# Altium PCB THE_FIRST.PcbDoc (part 1 of 2) (continued)
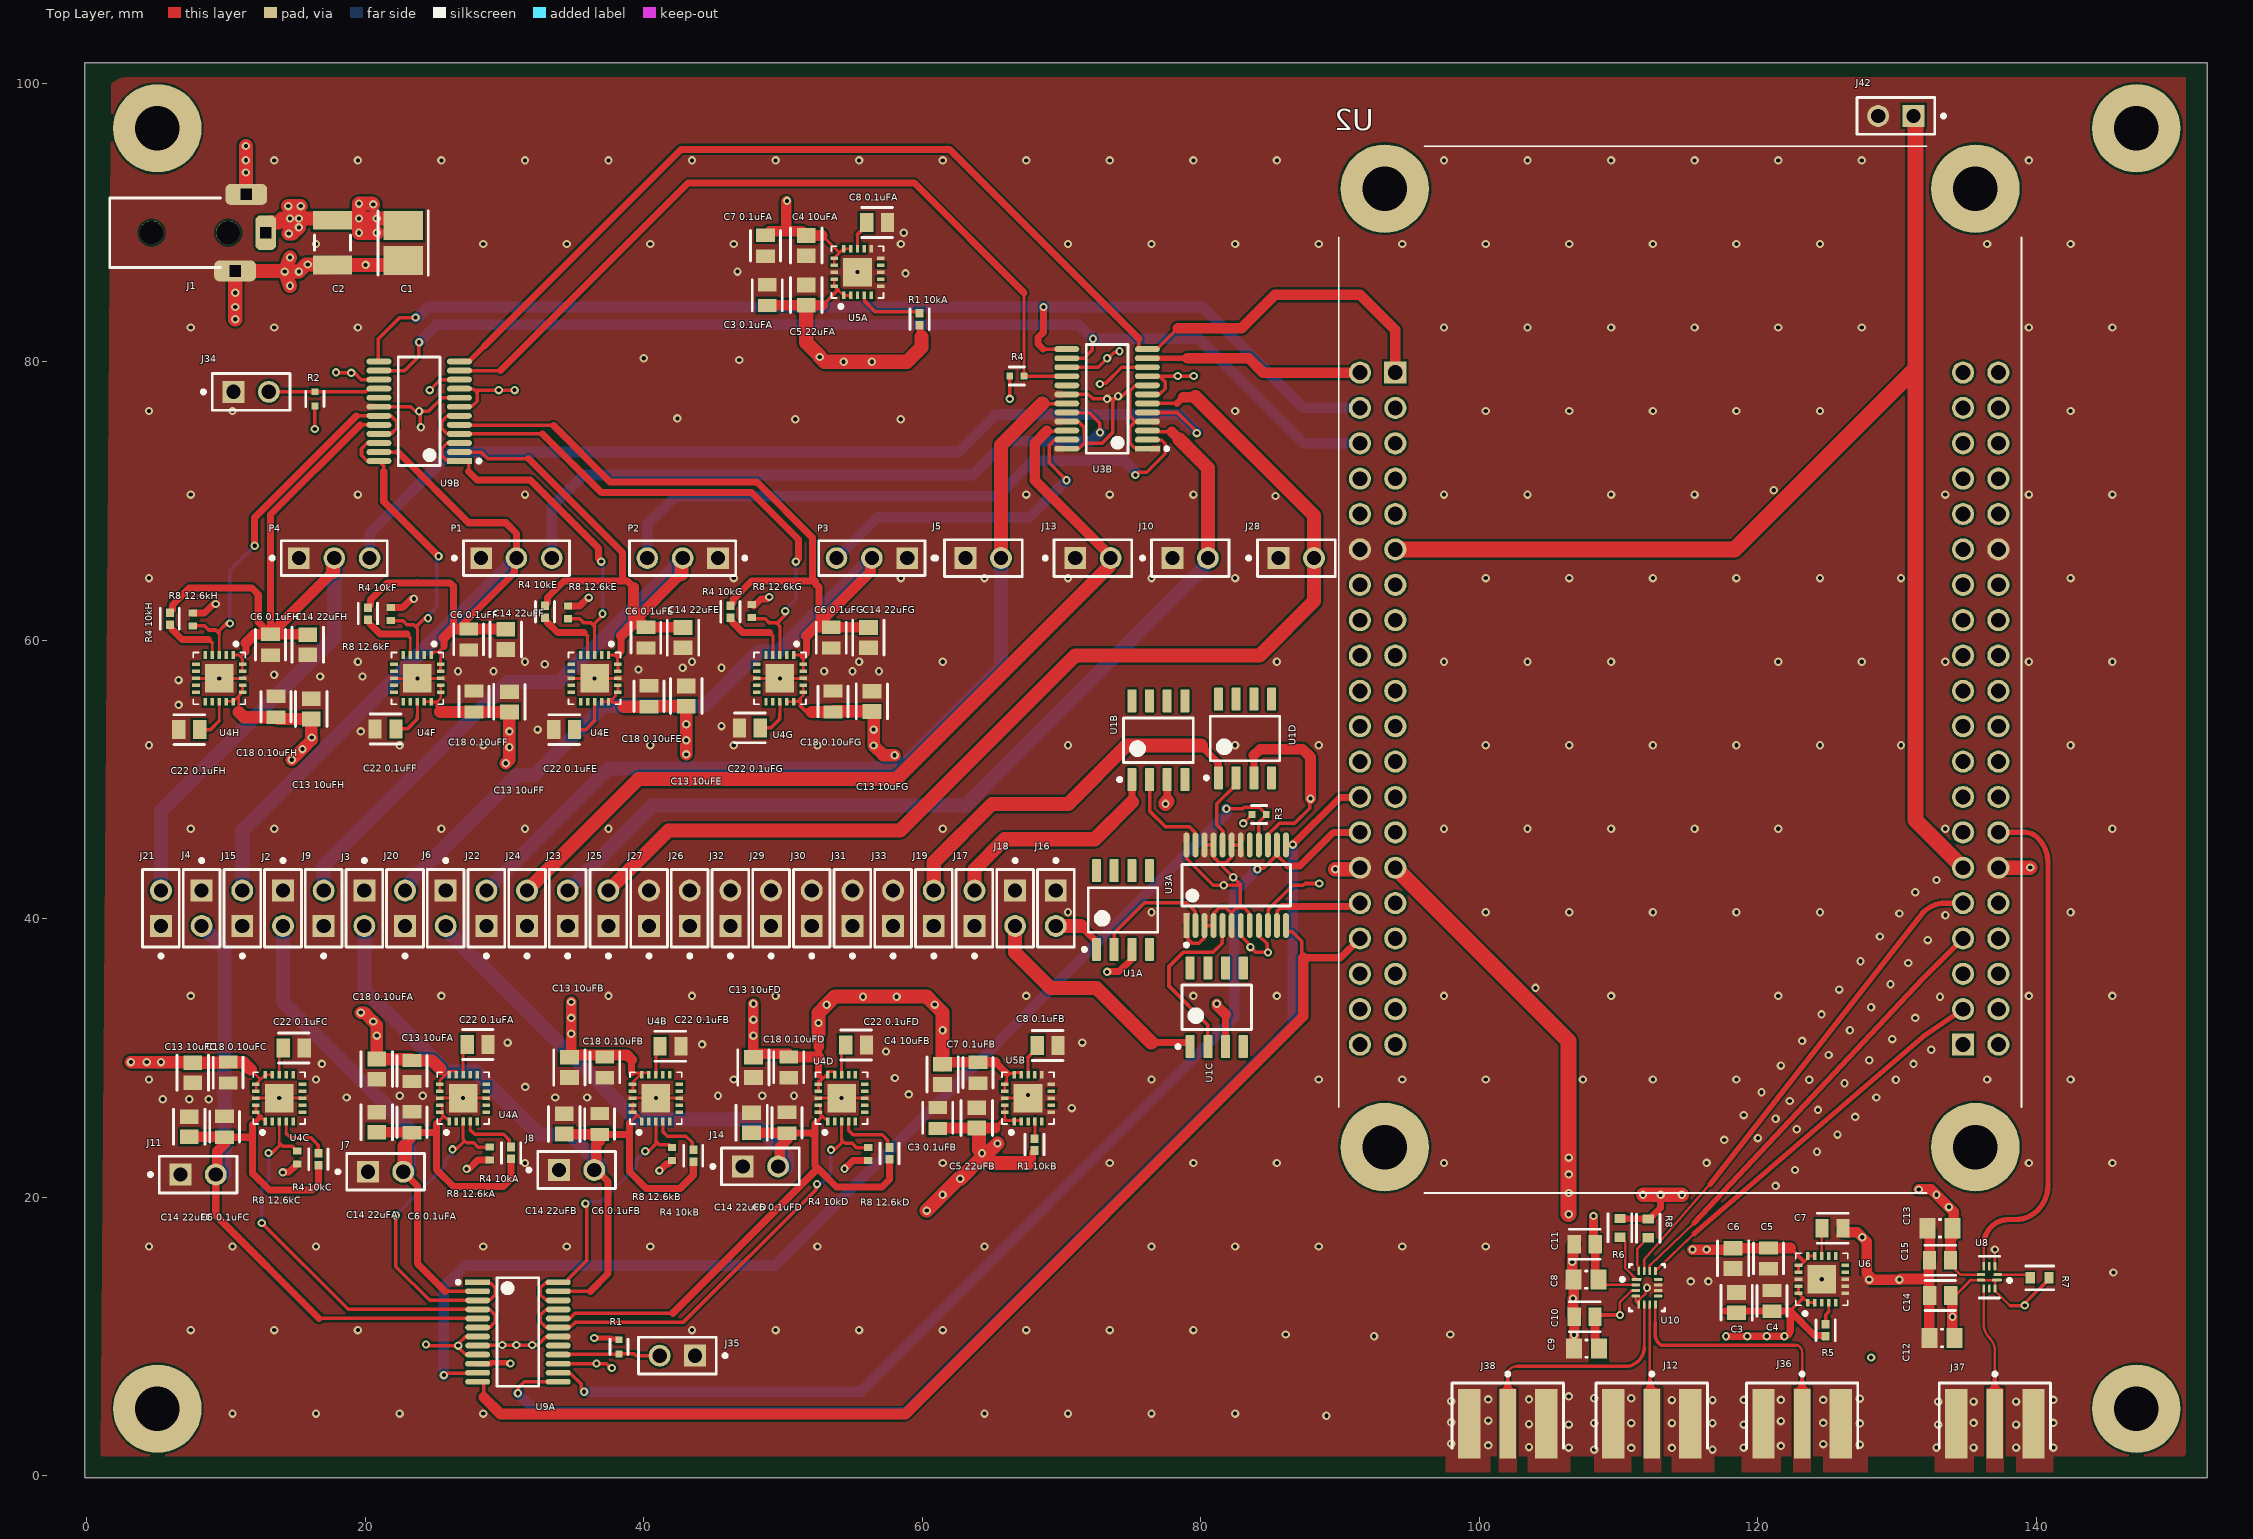
[diagram p0: Top Layer view]
## Components (designator, comment, footprint, x,y, rotation, side; value= is the part's Value field where it differs from the comment) (continued)
U5B "RAA214023GNP#HCA" L20_3_5x3_5_MFG 67.6,27.132 r90 top (schematic designator U5)
U6 "RAA214023GNP#HCA" L20_3_5x3_5_MFG 124.603,14.121 r90 top
U8 "SN74AXC2T245RSWR" FP-RSW0010A-MFG 136.633,14.262 r180 top
U9A "AD5263BRUZ50-REEL7" FP-RU-24-IPC_A 30.968,10.333 r0 top (schematic designator U9)
U9B "AD5263BRUZ50-REEL7" FP-RU-24-IPC_A 23.876,76.454 r180 top (schematic designator U9)
U10 "SN74AXC4T245RSVR" FP-RSV0016A-MFG 112.052,13.516 r0 top

## Footprints (in the part's own frame and the unit in brackets; to place one, negate y for a bottom-side part, rotate by r counter-clockwise, add the part's x,y. Pads: shape width x height; smd on the part's side, far side on the other; paste and mask are expansions set on the pad)
694101308002 [mm] "DC Power Jack THT Right Angled Low Profile(2.8)"
  rrect50% 2.5x1.5 hole 0.8 square: 1(-1270,-1264.3)
  rrect50% 1.5x3 hole 0.8 square: 2(-1267.25,-1266.5) 3(-1272.75,-1265.7)
  round 1.7 hole 1.7 unplated: MH1(-1270,-1272.5) MH2(-1270,-1267)
  silkscreen extent -1272.5,-1275.5 -1267.5,-1267.55, body extent -1272.9,-1275.5 -1267.1,-1263.5, height 5.05
CAPC0805(2012)100_N [mm] "Chip Capacitor, Body 2.0x1.2mm, Height 1.0mm, IPC Medium Density"
  rect 1.15x1.45 smd: 1(-0.9,0) 2(0.9,0)
  silkscreen extent -0.05,-0.62 0.05,0.63, body extent -1.1,-0.72 1.1,0.73, height 1
CAPC1210(3225)115_M [mm] "Chip Capacitor, Body 3.2x2.5mm, Height 1.15mm, IPC Low Density"
  rect 1.35x2.8 smd: 1(-1.6,0) 2(1.6,0)
  silkscreen extent -0.55,-1.3 0.55,1.3, body extent -1.7,-1.35 1.7,1.35, height 1.15
D0008A_M [mm] "SOIC, 8-Leads, Body 5x4mm, Pitch 1.27mm, IPC Low Density"
  rrect15% 1.65x0.65 smd: 1(-2.825,1.905) 2(-2.825,0.635) 3(-2.825,-0.635) 4(-2.825,-1.905) 5(2.825,-1.905) 6(2.825,-0.635) 7(2.825,0.635) 8(2.825,1.905)
  silkscreen extent -2.95,-2.5 1.6,2.9, body extent -3,-2.45 3,2.45, height 1.63
FP-C0805C-DN-MFG [mm]
  rect 0.95x1.35 smd paste+0 mask+0: 1(-0.75,0) 2(0.75,0)
  silkscreen extent -1.1,-1.07 1.1,1.07, body extent -1.4,-0.85 1.4,0.85, height 0.25
FP-CL21-IPC_C [mm]
  rect 1.055x1.356 smd paste+0 mask+0: 1(-0.726,0) 2(0.726,0)
  silkscreen extent -1.25,-1.12 1.25,1.12, body extent -1.35,-0.82 1.35,0.82, height 0.25
FP-CON-SMA-EDGE-S-MFG [mm]
  rect 1.2x5 smd paste+0 mask+0: 1(0,-7.26)
  rect 1.6x5 smd paste+0 mask+0: 2(-2.77,-7.26) 3(2.77,-7.26)
  rect 1.6x5 smd far side paste+0 mask+0: 4(-2.77,-7.26) 5(2.77,-7.26)
  silkscreen extent -4,-10.96 4,-5.5, body extent -3.67,-9.86 3.67,4.86, height 0.25
FP-ERA2A-MFG [mm]
  rect 0.475x0.5 smd paste+0 mask+0: 1(-0.512,0) 2(0.512,0)
  silkscreen extent -0.55,-0.65 0.55,0.65, body extent -0.85,-0.4 0.85,0.4, height 0.25
FP-GRM32E-0_3-0_2-IPC_A [mm]
  rect 2.103x2.806 smd paste+0 mask+0: 1(-1.251,0) 2(1.251,0)
  silkscreen extent -2.3,-1.8 2.3,1.8, body extent -2.8,-1.9 2.8,1.9, height 0.25
FP-M20-9990246-MFG [mm]
  rect 1.57x1.57 hole 1.02 paste-2539.97 mask+0: 1(-1.27,0)
  round 1.57 hole 1.02 paste-2539.97 mask+0: 2(1.27,0)
  silkscreen extent -3.55,-1.32 2.79,1.32, body extent -2.89,-1.42 2.89,1.42, height 0.25
FP-RC0603-0_55-IPC_C [mm]
  rect 0.659x0.812 smd paste+0 mask+0: 1(-0.677,0) 2(0.677,0)
  silkscreen extent -1.01,-0.85 1.01,0.85, body extent -1.11,-0.55 1.11,0.55, height 0.25
FP-RC1005-IPC_B [mm]
  rect 0.615x0.572 smd paste+0 mask+0: 1(-0.429,0) 2(0.429,0)
  silkscreen extent -0.74,-0.69 0.74,0.69, body extent -0.89,-0.44 0.89,0.44, height 0.25
FP-RSV0016A-MFG [mm]
  rrect50% 0.7x0.2 smd paste+0 mask+0: 1(-0.75,0.6)
  rrect50% 0.6x0.2 smd paste+0 mask+0: 2(-0.8,0.2) 3(-0.8,-0.2) 4(-0.8,-0.6) 9(0.8,-0.6) 10(0.8,-0.2) 11(0.8,0.2) 12(0.8,0.6)
  rrect50% 0.2x0.6 smd paste+0 mask+0: 5(-0.6,-1.2) 6(-0.2,-1.2) 7(0.2,-1.2) 8(0.6,-1.2) 13(0.6,1.2) 14(0.2,1.2) 15(-0.2,1.2) 16(-0.6,1.2)
  silkscreen extent -1.9,-1.68 1.28,1.68, body extent -1.2,-1.6 1.2,1.6, height 0.25
FP-RSW0010A-MFG [mm]
  rrect50% 0.7x0.2 smd paste+0 mask+0: 1(-0.55,0.2)
  rrect50% 0.6x0.2 smd paste+0 mask+0: 2(-0.6,-0.2) 6(0.6,-0.2) 7(0.6,0.2)
  rrect50% 0.2x0.6 smd paste+0 mask+0: 3(-0.4,-0.8) 4(0,-0.8) 5(0.4,-0.8) 8(0.4,0.8) 9(0,0.8) 10(-0.4,0.8)
  silkscreen extent -1.58,-1.52 0.72,1.48, body extent -1,-1.2 1,1.2, height 0.25
FP-RU-24-IPC_A [mm]
  rect 1.788x0.421 smd paste+0 mask+0: 1(-2.891,3.575)
  rrect100% 1.788x0.421 smd paste+0 mask+0: 2(-2.891,2.925) 3(-2.891,2.275) 4(-2.891,1.625) 5(-2.891,0.975) 6(-2.891,0.325) 7(-2.891,-0.325) 8(-2.891,-0.975) 9(-2.891,-1.625) 10(-2.891,-2.275) 11(-2.891,-2.925) 12(-2.891,-3.575) 13(2.891,-3.575) 14(2.891,-2.925) 15(2.891,-2.275) 16(2.891,-1.625) 17(2.891,-0.975) 18(2.891,-0.325) 19(2.891,0.325) 20(2.891,0.975) 21(2.891,1.625) 22(2.891,2.275) 23(2.891,2.925) 24(2.891,3.575)
  silkscreen extent -4.41,-3.9 1.5,3.9, body extent -4.29,-4.4 4.29,4.4, height 0.25
L20_3_5x3_5_MFG [mm] "Recommended Land Pattern"
  rect 0.55x0.25 smd: 1(-1.675,1) 2(-1.675,0.5) 3(-1.675,0) 4(-1.675,-0.5) 5(-1.675,-1) 11(1.675,-1) 12(1.675,-0.5) 13(1.675,0) 14(1.675,0.5) 15(1.675,1)
  rect 0.25x0.55 smd: 6(-1,-1.675) 7(-0.5,-1.675) 8(0,-1.675) 9(0.5,-1.675) 10(1,-1.675) 16(1,1.675) 17(0.5,1.675) 18(0,1.675) 19(-0.5,1.675) 20(-1,1.675)
  rect 2.05x2.05 smd: 21(0,0)
  silkscreen extent -2.59,-1.86 1.86,1.86, body extent -2.05,-2.05 2.05,2.05, height 0.25
MODULE_P0082_BOTTOMMOUNT [mm]
  rect 1.59x1.59 / inner round 1.59 / far side rect 1.59x1.59 hole 1.06: JP1_1(20.45,-21.33) JP2_1(-20.32,26.93)
  round 1.59 hole 1.06: JP1_2(22.99,-21.33) JP1_3(20.45,-18.79) JP1_4(22.99,-18.79) JP1_5(20.45,-16.25) JP1_6(22.99,-16.25) JP1_7(20.45,-13.71) JP1_8(22.99,-13.71) JP1_9(20.45,-11.17) JP1_10(22.99,-11.17) JP1_11(20.45,-8.63) JP1_12(22.99,-8.63) JP1_13(20.45,-6.09) JP1_14(22.99,-6.09) JP1_15(20.45,-3.55) JP1_16(22.99,-3.55) JP1_17(20.45,-1.01) JP1_18(22.99,-1.01) JP1_19(20.45,1.53) JP1_20(22.99,1.53) JP1_21(20.45,4.07) JP1_22(22.99,4.07) JP1_23(20.45,6.61) JP1_24(22.99,6.61) JP1_25(20.45,9.15) JP1_26(22.99,9.15) JP1_27(20.45,11.69) JP1_28(22.99,11.69) JP1_29(20.45,14.23) JP1_30(22.99,14.23) JP1_31(20.45,16.77) JP1_32(22.99,16.77) JP1_33(20.45,19.31) JP1_34(22.99,19.31) JP1_35(20.45,21.85) JP1_36(22.99,21.85) JP1_37(20.45,24.39) JP1_38(22.99,24.39) JP1_39(20.45,26.93) JP1_40(22.99,26.93) JP2_2(-22.86,26.93) JP2_3(-20.32,24.39) JP2_4(-22.86,24.39) JP2_5(-20.32,21.85) JP2_6(-22.86,21.85) JP2_7(-20.32,19.31) JP2_8(-22.86,19.31) JP2_9(-20.32,16.77) JP2_10(-22.86,16.77) JP2_11(-20.32,14.23) JP2_12(-22.86,14.23) JP2_13(-20.32,11.69) JP2_14(-22.86,11.69) JP2_15(-20.32,9.15) JP2_16(-22.86,9.15) JP2_17(-20.32,6.61) JP2_18(-22.86,6.61) JP2_19(-20.32,4.07) JP2_20(-22.86,4.07) JP2_21(-20.32,1.53) JP2_22(-22.86,1.53) JP2_23(-20.32,-1.01) JP2_24(-22.86,-1.01) JP2_25(-20.32,-3.55) JP2_26(-22.86,-3.55) JP2_27(-20.32,-6.09) JP2_28(-22.86,-6.09) JP2_29(-20.32,-8.63) JP2_30(-22.86,-8.63) JP2_31(-20.32,-11.17) JP2_32(-22.86,-11.17) JP2_33(-20.32,-13.71) JP2_34(-22.86,-13.71) JP2_35(-20.32,-16.25) JP2_36(-22.86,-16.25) JP2_37(-20.32,-18.79) JP2_38(-22.86,-18.79) JP2_39(-20.32,-21.33) JP2_40(-22.86,-21.33)
  round 6.35 hole 3.2: S1(-21.21,-34.54) S2(21.21,-34.54) S3(-21.21,34.29) S4(21.21,34.29)
  silkscreen extent -24.51,-37.59 24.51,37.59, body extent -24.51,-37.59 24.51,37.59, height 0
MOLX-22-28-4033_V [mm] "THD, 3-Leads, Body 7.62x2.49mm, Pitch 2.54mm"
  rect 1.55x1.55 hole 1.02: 1(-2.54,0)
  round 1.55 hole 1.02: 2(0,0) 3(2.54,0)
  silkscreen extent -4.58,-1.24 3.81,1.24, body extent -3.81,-1.24 3.81,1.24, height 8.38
RESC1005X40N [mm]
  rect 0.51x0.6 smd: 1(-0.465,0) 2(0.465,0)

## Part data
C1: library part CMP-2000-06363-3, "Chip Multilayer Ceramic Capacitors for General Purpose, 1210, 47uF, X7R, 15%, 20%, 10V", Capacitance=47uF, Case Code (Imperial)=1210, Case Code (Metric)=3225, Dielectric=X7R, Max Operating Temperature=125°C, Min Operating Temperature=-55°C, Package Quantity=1, Tolerance=20%, Voltage=10V, Case/Package=1210, Depth=2.5mm, Height=2.5mm, Lead Free="Lead Free", Length=3.2mm, Mount="Surface Mount", Packaging="Tape and Reel", Radiation Hardening=No, REACH SVHC="No SVHC", Termination=SMD/SMT, Thickness=0.106inch, Voltage Rating=10V, Voltage Rating (DC)=10V, Width=0.098inch
C2: library part CMP-1038-01632-1, "CAP 100nF 16V ±1% 1210 (3225 Metric) Thickness 1.1mm SMD", Capacitor Type=FILM, Case-EIA=1210, Case-Metric=3225, Dielectric Material=Polyphenylene, Manufacturer=Panasonic, Manufacturer Part Number=ECH-U1C104GX5, Max Operating Temperature=125°C, Min Operating Temperature=-55°C, Package Shape=Rectangular, Package Style=SMTMeter, Rated DC Voltage (URdc)=16V, Rated Voltage="16 V", Supplier Part Number=PCF1189CT-ND, Tolerance=Â±1%, Tolerance  (fill in as +-)=2%, Case/Package=1210, Category="Film Capacitors", ComponentLink1Description=https://datasheet.ciiva.com:443/pdfs/VipMasterIC/IC/PANA/PANA-S-A0009590914/PANA-S-A0009590914-1.pdf?src-supplier=IHS+Markit, ComponentLink1URL=https://datasheet.ciiva.com:443/pdfs/VipMasterIC/IC/PANA/PANA-S-A0009590914/PANA-S-A0009590914-1.pdf?src-supplier=IHS+Markit, ComponentLink2Description=https://datasheet.ciiva.com/11792/0900766b8016ecc7-11792269.pdf?src-supplier=Rs, ComponentLink2URL=https://datasheet.ciiva.com/11792/0900766b8016ecc7-11792269.pdf?src-supplier=Rs, ComponentLink3Description=https://datasheet.ciiva.com/11416/abd0000ce13-11416261.pdf?src-supplier=Avnet, ComponentLink3URL=https://datasheet.ciiva.com/11416/abd0000ce13-11416261.pdf?src-supplier=Avnet, ComponentLink4Description=https://datasheet.ciiva.com/30113/21abd0000ce13-30113725.pdf?src-supplier=Onlinecomponents.com, ComponentLink4URL=https://datasheet.ciiva.com/30113/21abd0000ce13-30113725.pdf?src-supplier=Onlinecomponents.com, ComponentLink5Description=https://datasheet.ciiva.com/14606/70067901-14606805.pdf?src-supplier=Allied+Electronics, ComponentLink5URL=https://datasheet.ciiva.com/14606/70067901-14606805.pdf?src-supplier=Allied+Electronics, ComponentLink6Description=https://datasheet.ciiva.com/27055/1981672-27055573.pdf?src-supplier=Jameco, ComponentLink6URL=https://datasheet.ciiva.com/27055/1981672-27055573.pdf?src-supplier=Jameco, Height=2.1mm, JESD-609 Code=e1, Length=3.2mm, Max Thickness="1.1 mm", Mounting Technology="Surface Mount", Packaging="Tape and Reel", Pins=2, Pricing="1=1, 10=0.637, 50=0.4958, 100=0.4521, 500=0.37836, 1000=0.35557 (USD)", Reach SVHC Compliant=Yes, RoHS=Yes, RoHS Compliant=Yes, Stock=18597, Supplier=Digikey, Technology=SMT, Terminal Finish=Copper, Termination=Wraparound, Tolerance (fill in as +-)=2%, Width=2.5mm
C3 "C5 22uFA" "C5 22uFB" "C14 22uFA" "C14 22uFB" "C14 22uFC" "C14 22uFD" "C14 22uFE" "C14 22uFF" "C14 22uFG" "C14 22uFH": library part CMP-13271-002990-1, "CL21 Series 0805 22uF 16V ±20% Tolerance X5R Multilayer Ceramic Chip Capacitor", Capacitance=22uF, Case Code (Imperial)=0805, Case Code (Metric)=2012, Max Operating Temperature=85°C, Min Operating Temperature=-55°C, Tolerance=20%, Voltage Rating=16V, Case/Package=0805, Length=0.079inch, Mount="Surface Mount", Packaging="Tape and Reel", Thickness=0.037inch, Width=0.049inch
"C3 0.1uFA" "C3 0.1uFB" C4 "C6 0.1uFA" "C6 0.1uFB" "C6 0.1uFC" "C6 0.1uFD" "C6 0.1uFE" "C6 0.1uFF" "C6 0.1uFG" "C6 0.1uFH" C7 "C8 0.1uFA" "C8 0.1uFB" C10 C11 C14 C15 "C18 0.10uFA" "C18 0.10uFB" "C18 0.10uFC" "C18 0.10uFD" "C18 0.10uFE" "C18 0.10uFF" "C18 0.10uFG" "C18 0.10uFH" "C22 0.1uFA" "C22 0.1uFB" "C22 0.1uFC" "C22 0.1uFD" "C22 0.1uFE" "C22 0.1uFF" "C22 0.1uFG" "C22 0.1uFH": library part CMP-03020-009592-2, "C0805 0.10 μF X7R 30ppm/°C 10.00% 16 V", Capacitance="0.10 μF", Manufacturer=KEMET, Package=C0805C-DN, Temperature="-55°C to +125°C", Temperature Characteristic=X7R, Temperature Coefficient=30ppm/°C, Temperature Range High=+125°C, Temperature Range Low=-55°C, Tolerance=0.1, Voltage Rating="16 V", Automotive=No, Category=Cap, ComponentLink2Description=Datasheet, ComponentLink2URL=https://content.kemet.com/datasheets/KEM_C1003_C0G_SMD.pdf, Device Class L1="Passive Components", Device Class L2=Capacitors, Device Class L3="Ceramic Capacitors", Height=0.88mm, Ipc Land Pattern Name=CAPC200125X78, Lead Free=Yes, Manufacturer Part Number=C0805C104K4RAC, Material=Ceramic, Mouser Description="Cap Ceramic 0.1uF 16V X7R 10% Pad SMD 0805 125C Bulk", Octopart=https://octopart.com/c0805c104k4rac-kemet-1343167, RoHS=TRUE
"C4 10uFA" "C4 10uFB" C6 "C13 10uFA" "C13 10uFB" "C13 10uFC" "C13 10uFD" "C13 10uFE" "C13 10uFF" "C13 10uFG" "C13 10uFH": library part CMP-13271-002240-1, "CL21 Series 0805 10uF 16V ±10% Tolerance X5R Multilayer Ceramic Chip Capacitor", Capacitance=10uF, Case Code (Imperial)=0805, Case Code (Metric)=2012, Dielectric=X5R, Max Operating Temperature=85°C, Min Operating Temperature=-55°C, Package Quantity=3000, Tolerance=10%, Voltage=16V, Case/Package=0805, Depth=1.25mm, Height=1.25mm, Length=2mm, Material=Ceramic, Mount="Surface Mount", Packaging="Tape and Reel", Thickness=0.053inch, Voltage Rating=16V, Width=0.049inch
C5 "C7 0.1uFA" "C7 0.1uFB": library part CMP-03020-009592-2, "C0805 0.10 μF X7R 30ppm/°C 10.00% 16 V / C0805C104K4RAC", Capacitance="0.10 μF", Manufacturer=KEMET, Manufacturer Part Number=C0805C104K4RAC, Package=C0805C-DN, Temperature="-55°C to +125°C", Temperature Characteristic=X7R, Temperature Coefficient=30ppm/°C, Temperature Range High=+125°C, Temperature Range Low=-55°C, Tolerance=0.1, Voltage Rating="16 V", Automotive=No, Category=Cap, ComponentLink2Description=Datasheet, ComponentLink2URL=https://content.kemet.com/datasheets/KEM_C1003_C0G_SMD.pdf, Device Class L1="Passive Components", Device Class L2=Capacitors, Device Class L3="Ceramic Capacitors", Height=0.88mm, Ipc Land Pattern Name=CAPC200125X78, Lead Free=Yes, Material=Ceramic, Mouser Description="Cap Ceramic 0.1uF 16V X7R 10% Pad SMD 0805 125C Bulk", Octopart=https://octopart.com/c0805c104k4rac-kemet-1343167, RoHS=TRUE
C8 C9 C12 C13: library part CMP-1036-04747-1, "CAP 1uF 16V ±10% 0805 (2012 Metric) Thickness 1mm SMD", Capacitor Type=Ceramic, Case-EIA=0805, Case-Metric=2012, Manufacturer=KEMET, Manufacturer Part Number=C0805C105K4RACTU, Max Operating Temperature=125°C, Min Operating Temperature=-55°C, Package Shape=Rectangular, Package Style=SMTMeter, Rated DC Voltage (URdc)=16V, Rated Voltage="16 V", Supplier Part Number=399-C0805C105K4RACTUCT-ND, Temperature Characteristics Code=X7R, Tolerance=Â±10%, Tolerance  (fill in as +-)=10%, Case/Package=0805, Category="Ceramic Capacitors", ComponentLink1Description=https://datasheet.ciiva.com:443/pdfs/VipMasterIC/IC/KEME/KEME-S-A0008991654/KEME-S-A0008991654-1.pdf?src-supplier=IHS+Markit, ComponentLink1URL=https://datasheet.ciiva.com:443/pdfs/VipMasterIC/IC/KEME/KEME-S-A0008991654/KEME-S-A0008991654-1.pdf?src-supplier=IHS+Markit, Dielectric Material=Ceramic, Height=0.9mm, JESD-609 Code=e3, Length=2mm, Max Thickness="1 mm", Mounting Technology="Surface Mount", Multilayer=Yes, Packaging="Tape and Reel", Pins=2, Pricing="1=0.12, 10=0.068, 100=0.041, 1000=0.03184 (USD)", Reach SVHC Compliant=Yes, RoHS=Yes, RoHS Compliant=Yes, Stock=418697, Supplier=Digikey, Technology=SMT, Terminal Finish=Nickel, Termination=Wraparound, Tolerance (fill in as +-)=10%, Width=1.25mm
J1: library part CMP-1502-00182-2, Color=Black, Current Rating=2A, Flammability Rating="UL94 V-0", Insulation Resistance=100MΩ, Max Operating Temperature=85°C, Min Operating Temperature=-20°C, Operating Supply Voltage=12V, Connector Type=Power, Contact Gender=Male, Contact Plating=Tin, Gender=Male, Housing Material=Polyamide, Mount="Through Hole", NexarPartId=52676095, Packaging=Bulk, REACH SVHC=Unknown, RoHS=Compliant, Shielding=Unshielded, Termination="Through Hole", Voltage Rating=12V, Voltage Rating (DC)=12V
J2 J3 J4 J5 J6 J7 J8 J9 J10 J11 J13 J14 J15 J16 J17 J18 J19 J20 J21 J22 J23 J24 J25 J26 J27 J28 J29 J30 J31 J32 J33 J34 J35 J42: library part CMP-15831-000009-1, "CONN HEADER VERT 2POS 2.54MM", Current Rating=3A, Manufacturer=Harwin, Temperature="-40°C to +105°C", Temperature Range High=+105°C, Temperature Range Low=-40°C, Automotive=No, Category=Conn, ComponentLink2Description=Datasheet, ComponentLink2URL=https://cdn.harwin.com/pdfs/M20-999.pdf, Conn Gender=Male, Conn Orientation=Vertical, Contact Material=Tin,Nickel, Device Class L1=Connectors, Device Class L2="Headers and Wire Housings", Device Class L3=unset, Digikey Description="CONN HEADER VERT 2POS 2.54MM", Height=8.99mm, Lead Free=Yes, Manufacturer Part Number=M20-9990246, Mouser Description="2.54mm (0.1\") Pitch SIL Vertical PC Tail Pin Header, 6.1mm mating pin height, tin, 2 contacts", Number Of Contacts=2, Number Of Rows=1, Octopart=https://octopart.com/m20-9990246-harwin-2590635, Package=M20-9990246, Pitch=2.54mm, RoHS=TRUE
J12 J36 J37 J38: library part CMP-204357-000001-1, "CONN SMA JACK STR EDGE MNT", Frequency=18GHz, Manufacturer="RF Solutions Ltd.", Package=CONN_JACK, Supplier Part Number=223-CON-SMA-EDGE-S, Automotive=No, Category=Conn, ComponentLink1Description=https://media.digikey.com/pdf/Data%20Sheets/RF%20Solutions%20PDFs/CON-SMA-EDGE.pdf?src-supplier=Digikey, ComponentLink1URL=https://media.digikey.com/pdf/Data%20Sheets/RF%20Solutions%20PDFs/CON-SMA-EDGE.pdf?src-supplier=Digikey, ComponentLink2Description=Datasheet, ComponentLink2URL=https://www.rfsolutions.co.uk/downloads/1498648656DS-CON-EDGE-SMA-4.pdf, ComponentLink3Description=https://datasheet.octopart.com/CON-SMA-EDGE-S-RF-Solutions-datasheet-153593425.pdf?src-supplier=Element14, ComponentLink3URL=https://datasheet.octopart.com/CON-SMA-EDGE-S-RF-Solutions-datasheet-153593425.pdf?src-supplier=Element14, Conn Orientation="Right Angle", Contact Material=Gold, Device Class L1=Connectors, Device Class L2="RF / Coaxial Connectors", Device Class L3=unset, Digikey Description="CONN SMA JACK STR EDGE MNT", Footprint Url=https://forum.upverter.com/uploads/default/original/3X/b/e/be75b907af57498775929d6d9099689c472e0307.pdf, Height=6.35mm, Impedance=50Ω, Is Female=yes, Lead Free=Yes, Manufacturer Part Number=CON-SMA-EDGE-S, Number Of Contacts=1, Octopart=https://octopart.com/con-sma-edge-s-rf+solutions-70967450, Pricing="1=2.52, 10=2.14, 50=1.91, 100=1.82, 1000=1.54, 10000=1.45 (USD)", RoHS=TRUE, Shielding=true, Stock=609, Supplier=Mouser
P1 P2 P3 P4: library part CMP-1676-00001-5, "Male Header, Pitch 2.54 mm, 1 x 3 Position, Height 8.38 mm, Tail Length 3.18 mm, RoHS, Bulk", Colour=Black, Current Rating="4 A", Manufacturer=Molex, Max Operating Temperature="75 degC", Min Operating Temperature="0 degC", Package Quantity=1, Voltage Rating="250 V", ComponentLink1Description="Manufacturer URL", ComponentLink1URL=http://www.molex.com/, ComponentLink2Description=Datasheet, ComponentLink2URL=http://www.molex.com/pdm_docs/sd/022284033_sd.pdf, Contact Finish=Gold, Contact Material=Brass, Contact Plating=Gold, DatasheetVersion="Rev. G, 01/2012", Height="8.38 mm", Lead Pitch="0.1 inch", Length="7.62 mm", Mount="Through Hole", Mounting Technology="Through Hole", PackageDescription="Male Header, Pitch 2.54 mm, 1 x 3 Position, Height 8.38 mm, Tail Length 3.18 mm", PackageReference=22-28-4033, Packaging=Bulk, Pins=3, REACH SVHC=Unknown, RoHSCompliant=true, Rows=1
R1 R2 R3 R4: library part CMP-2002-05881-2, "RES SMD 2.2K OHM 0.1% 1/16W 0402", Manufacturer=Panasonic, Package=ERA2A, Power Rating=0.063W, Resistance=2.2kΩ, Temperature="-55°C to +155°C", Temperature Coefficient=25ppm/°C, Temperature Range High=+155°C, Temperature Range Low=-55°C, Tolerance=0.1%, Voltage Rating=50V, Automotive=Yes, Automotive Grade="Grade 0", Category=Res, ComponentLink2Description=Datasheet, ComponentLink2URL=https://industrial.panasonic.com/cdbs/www-data/pdf/RDM0000/AOA0000C307.pdf, Composition="Metal Film", Device Class L1="Passive Components", Device Class L2=Resistors, Device Class L3="Chip SMD Resistors", Digikey Description="RES SMD 2.2K OHM 0.1% 1/16W 0402", Footprint Url=https://b2b-api.panasonic.eu/file_stream/pids/fileversion/1079, Height=0.4mm, Ipc Land Pattern Name=RESC10050X35, Lead Free=Yes, Manufacturer Part Number=ERA-2AEB222X, Mouser Description="Thin Film Resistors - SMD 0402 1/16W 2.2Kohms", Octopart=https://octopart.com/era-2aeb222x-panasonic-9251391, RoHS=TRUE, Series=E24
"R1 10kA" "R1 10kB" "R4 10kA" "R4 10kB" "R4 10kC" "R4 10kD" "R4 10kE" "R4 10kF" "R4 10kG" "R4 10kH" R5: library part CMP-13261-004522-1, "Res Thick Film 0402 10kΩ 1% 0.063W ±100ppm/°C Molded SMD T/R", Case Code (Imperial)=0402, Case Code (Metric)=1005, Max Operating Temperature=155°C, Max Power Dissipation=63mW, Min Operating Temperature=-55°C, Package Quantity=1, Power Rating=62.5mW, Resistance=10kR, Temperature Coefficient=100ppm/°C, Tolerance=1%, Case/Package=0402, Composition="Thick Film", Contact Plating=Tin, Depth=0.5mm, Features="Moisture Resistant", Height=0.016inch, Length=1mm, Military Standard=Not, Mount="Surface Mount", Number of Terminations=2, Packaging="Tape and Reel", Radiation Hardening=No, Width=0.02inch
R6 R7 R8: library part CMP-2100-03664-2, "RES 10K OHM 1% 1/10W 0603", Case Code (Imperial)=0603, Case Code (Metric)=1608, Manufacturer=Yageo, Max Operating Temperature=155°C, Max Power Dissipation=100mW, Min Operating Temperature=-55°C, Package Height=0.45mm, Package Length=1.6mm, Package Shape=Rectangular, Package Width=0.8mm, Rated Temperature=70°C, Resistance=10kR, Resistance Tolerance=1%, Resistor Type="Thick Film", Supplier Part Number=311-10.0KHRDKR-ND, Temperature Coefficient=100ppm/°C, Temperature Coefficient (ppm/Cel)=100, Voltage Rating=75V, Voltage Rating (DC)=50V, Additional Feature="LASER TRIMMABLE", Case/Package=0603, Category="Chip SMD Resistors", ComponentLink1Description=https://datasheet.ciiva.com:443/pdfs/VipMasterIC/IC/YAGO/YAGO-S-A0008145938/YAGO-S-A0008145938-1.pdf?src-supplier=IHS+Markit, ComponentLink1URL=https://datasheet.ciiva.com:443/pdfs/VipMasterIC/IC/YAGO/YAGO-S-A0008145938/YAGO-S-A0008145938-1.pdf?src-supplier=IHS+Markit, Construction=Rectangular, Depth=0.8mm, Features="Moisture Resistant", Height=0.45mm, JESD-609 Code=e3, Lead Free="Lead Free", Lead Pitch=0.3mm, Length=1.6mm, Manufacturer Part Number=RC0603FR-0710KL, Military Standard=Not, Mounting Technology="Surface Mount", Number of Pins=2, Number of Terminations=2, Packaging="Tape and Reel", Pins=2, Power=100mW, Power Rating=100mW, Pricing="1=0.1, 10=0.009, 100=0.0071, 1000=0.0051 (USD)", Reach SVHC Compliant=Yes, RoHS=Yes, RoHS Compliant=Yes, Series=RC, Size Code=0603, Stock=3719141, Supplier=Digikey, Technology="METAL GLAZE/THICK FILM", Terminal Finish=Nickel, Termination=SMD/SMT, Tolerance=1%, Weight=7.1E-05oz, Width=0.8mm, Working Voltage=75V
"R8 12.6kA" "R8 12.6kB" "R8 12.6kC" "R8 12.6kD" "R8 12.6kE" "R8 12.6kF" "R8 12.6kG" "R8 12.6kH": "Fixed Resistor, Thin Film, 0.063W, 12600ohm, 50V, 0.1% +/-Tol, 25ppm/Cel, Surface Mount, 0402", Manufacturer="KOA Speer", Package=None, Supplier Part Number=2019-RN73R1ETTP1262B25CT-ND, Availability=Unavailable, Category="Chip SMD Resistors", Manufacturer Part Number=RN73R1ETTP1262B25, MP=RN73R1ETTP1262B25, Price=None, Pricing="1=0.1, 10=0.066, 50=0.0576, 100=0.0544, 500=0.04774, 1000=0.04524, 5000=0.04032 (USD)", RoHS=Yes, Stock=8327, Supplier=Digikey
U1A U1B U1C U1D: library part CMP-0063-00597-4, "3-Terminal Adjustable Current Source, 8-pin Narrow SOIC, Pb-Free", Manufacturer="Texas Instruments", PackageTopMarking=NSZXTT*LM334*SM, PowerWise=N, Code_IPC=SOIC127P600-8, Code_JEDEC=MS-012-AA, ComponentLink1Description="Datasheet URL", ComponentLink1URL=http://www.ti.com/general/docs/lit/getliterature.tsp?genericPartNumber=LM334&fileType=pdf, CompType=MiscPower, High-Reliability=Y, PackageDescription="SOIC Narrow, 4.9 x 3.9 x 1.45mm, 8 Lead, 1.27mm Pitch", PackageReference=D0008A, PartNumber=LM334SM/NOPB, PinCount=8, RoHS=Y
U2: "Cyclone IV E FPGA DE0-Nano EP4CE22 CycloneÂ® IV E FPGA Evaluation Board", Package=None, Check_prices=https://www.snapeda.com/parts/P0082/Terasic+Inc./view-part/?ref=eda, MF="Terasic Inc.", MP=P0082, SnapEDA_Link=https://www.snapeda.com/parts/P0082/Terasic+Inc./view-part/?ref=snap
U3A U3B U9A U9B: library part CMP-09083-000144-1, "IC DGT POT 50KOHM 256TAP 24TSSOP", Case/Package=TSSOP, Dual Supply Voltage=5V, Frequency=25MHz, Max Dual Supply Voltage=7.5V, Max Operating Temperature=125°C, Max Supply Current=1uA, Max Supply Voltage=16.5V, Min Dual Supply Voltage=4.5V, Min Operating Temperature=-40°C, Min Supply Voltage=2.7V, Package Quantity=1000, Resistance=50kR, Temperature Coefficient=650ppm/°C, Tolerance=30%, -3db Bandwidth=300kHz, Contact Plating=Tin, Interface=I2C, Lead Free="Contains Lead", Memory Type=Volatile, Mount="Surface Mount", Nominal Supply Current=1uA, Number of Circuits=4, Number of Elements=4, Number of Pins=24, Number of Positions=256, Number of Taps=256, Operating Supply Current=1uA, Operating Supply Voltage=5V, Packaging="Tape and Reel", RoHS Compliant=Yes, Series=-, Supply Current=1uA, Taper=Linear
U4A U4B U4C U4D U4E U4F U4G U4H: library part CMP-00572-126438255-2, "LDO Voltage Regulators 2A Low Noise LDO, 20 Lead 3.5x3.5 QFN (NiPdAu-Ag lead finish", Case/Package=QFN, Dropout Voltage=420mV, Dropout Voltage1-Max=570mV, Manufacturer=Renesas, Manufacturer Lifecycle Status=ACTIVE, Max Input Voltage=5.5V, Max Junction Temperature (Tj)=150°C, Max Operating Temperature=85°C, Max Output Current=2A, Max Output Voltage=800mV, Min Input Voltage=2.7V, Min Operating Temperature=-40°C, Min Output Voltage=5V, Output Voltage1-Max=4.93V, Package Body Material=Plastic, Package Shape=Square, Quiescent Current=195µA, Supplier Part Number=968-RAA214023GNP#HCA, Adjustability=ADJUSTABLE, Channels=1, ComponentLink1Description="Manufacturer's Website", ComponentLink1URL=http://www.renesas.com, ComponentLink2Description="Datasheet URL", ComponentLink2URL=https://octopart.com/cad-content/api/get-model-datasheet/15189/126438255, ComponentLink3Description="Manufacturer's Package Drawing", ComponentLink3URL=https://www.renesas.com/en/document/psc/l2035x35-20-lead-quad-flat-no-lead-package-qfn, ComponentLink4Description=https://datasheet.ciiva.com:443/pdfs/VipMasterIC/IC/RNCC/RNCC-S-A0011343211/RNCC-S-A0014920273-1.pdf?src-supplier=IHS+Markit, ComponentLink4URL=https://datasheet.ciiva.com:443/pdfs/VipMasterIC/IC/RNCC/RNCC-S-A0011343211/RNCC-S-A0014920273-1.pdf?src-supplier=IHS+Markit, Dropout Voltage1-Nom=420mV, Height=900µm, Height - Seated (Max)=0.9mm, HelpURL=https://octopart.com/cad-content/api/get-model-datasheet/15189/126438255, Length=3.5mm, Lifecycle Status=Production, Manufacturer Part Number=RAA214023GNP#HCA, Max Supply Voltage=5.5V, Min Supply Voltage=2.7V, Moisture Sensitivity Level=1, Mount="Surface Mount", Mounting Technology="Surface Mount", Number of Outputs=1, Number of Pins=20, Output Current1-Max=2A, Output Voltage=800mV, Output Voltage1-Min=800mV, Packaging="Tape and Reel", Pins=20, Pitch=500µm, Pricing="1=4.26, 10=2.76, 50=2.36, 100=1.92, 1000=1.45, 10000=1.43 (USD)", RAM Size=1.5kB, Reach SVHC Compliant=Yes, Regulator Type="ADJUSTABLE POSITIVE SINGLE OUTPUT LDO REGULATOR", RoHS=Compliant, RoHS Compliant=Yes, Stock=3715, Supplier=Mouser, Surface Mount=Yes, Terminal Finish=Gold, Terminal Form="No Lead", Terminal Pitch=0.5mm, Terminal Position=QUAD, Width=3.5mm
U5A U5B U6: library part CMP-00572-126438255-2, "LDO Voltage Regulators 2A Low Noise LDO, 20 Lead 3.5x3.5 QFN (NiPdAu-Ag lead finish", Case/Package=QFN, Dropout Voltage=420mV, Manufacturer Lifecycle Status=ACTIVE, Max Input Voltage=5.5V, Max Junction Temperature (Tj)=150°C, Max Operating Temperature=85°C, Max Output Current=2A, Max Output Voltage=800mV, Min Input Voltage=2.7V, Min Operating Temperature=-40°C, Min Output Voltage=5V, Quiescent Current=195µA, ComponentLink1Description="Manufacturer's Website", ComponentLink1URL=http://www.renesas.com, ComponentLink2Description="Datasheet URL", ComponentLink2URL=https://octopart.com/cad-content/api/get-model-datasheet/15189/126438255, ComponentLink3Description="Manufacturer's Package Drawing", ComponentLink3URL=https://www.renesas.com/en/document/psc/l2035x35-20-lead-quad-flat-no-lead-package-qfn, Height=900µm, HelpURL=https://octopart.com/cad-content/api/get-model-datasheet/15189/126438255, Length=3.5mm, Lifecycle Status=Production, Max Supply Voltage=5.5V, Min Supply Voltage=2.7V, Mount="Surface Mount", Number of Pins=20, Output Voltage=800mV, Pitch=500µm, RAM Size=1.5kB, RoHS=Compliant, Width=3.5mm
U8: library part CMP-04899-000104-1, "DUAL-BIT, 2-DIR PIN DUAL-SUPPLY", Manufacturer="Texas Instruments", Supplier Part Number=296-SN74AXC2T245RSWRCT-ND, Category="Voltage Level Shifters", ComponentLink1Description=http://www.ti.com/general/docs/suppproductinfo.tsp?distId=10&amp;gotoUrl=http%3A%2F%2Fwww.ti.com%2Flit%2Fgpn%2FSN74AXC2T245&src-supplier=Digikey, ComponentLink1URL=http://www.ti.com/general/docs/suppproductinfo.tsp?distId=10&amp;gotoUrl=http%3A%2F%2Fwww.ti.com%2Flit%2Fgpn%2FSN74AXC2T245&src-supplier=Digikey, Manufacturer Part Number=SN74AXC2T245RSWR, Pricing="1=0.92, 10=0.663, 25=0.5976, 100=0.5256, 250=0.49132, 500=0.47066, 1000=0.46971 (USD)", RoHS=Yes, Stock=32289, Supplier=Digikey
U10: library part CMP-04899-000112-1, "IC TRANSLATION TXRX 3.6V 16UQFN", Manufacturer="Texas Instruments", Category="Buffers, Drivers and Transceivers", ComponentLink1Description=https://www.ti.com:443/lit/ds/symlink/sn74axc4t245.pdf?src-supplier=IHS+Markit, ComponentLink1URL=https://www.ti.com:443/lit/ds/symlink/sn74axc4t245.pdf?src-supplier=IHS+Markit, ComponentLink2Description=http://www.ti.com/general/docs/suppproductinfo.tsp?distId=10&amp;gotoUrl=http%3A%2F%2Fwww.ti.com%2Flit%2Fgpn%2Fsn74axc4t245&src-supplier=Digikey, ComponentLink2URL=http://www.ti.com/general/docs/suppproductinfo.tsp?distId=10&amp;gotoUrl=http%3A%2F%2Fwww.ti.com%2Flit%2Fgpn%2Fsn74axc4t245&src-supplier=Digikey, Manufacturer Part Number=SN74AXC4T245RSVR, Pricing="1=0.545, 10=0.4644, 25=0.4374, 100=0.405, 250=0.3871, 500=0.3731, 1000=0.3485 (USD)", RoHS=Yes, Stock=1553, Supplier="Arrow Electronics", Supplier Part Number=SN74AXC4T245RSVR

## Free pads (board coordinates)
  round 6.35 hole 3.2: S5(5.08,4.826) S5(5.08,96.774) S5(147.193,4.826) S5(147.193,96.774)

## Via types
v1: diameter 0.6, hole 0.3, Top Layer to Bottom Layer, 521 vias

## Nets (pads, with @x,y where several pads share a name; then routed paths per layer and width w, separated by ;. In a path a pad name is that pad's centre, name@x,y a point inside that pad or via, vN(x,y) a via of type N, cw(c..) or ccw(c..) an arc to the next point about the centre after c; other vN are vias at no path point)
CLK1: U2.JP1_1 U3B.12 U9B.12 | length 85.6
  Top Layer w0.254: 75.565,81.661 75.565,80.995 75.642,80.918 U3B.12@76.17,80.918 76.854,80.918 78.359,82.423
  Top Layer w0.381: U9B.12@26.767,80.029 26.78,80.042 27.464,80.042 28.575,81.153
  Top Layer w0.508: 28.575,81.153 42.672,95.25 61.976,95.25 75.565,81.661
  Top Layer w0.762: 78.359,82.423 82.927,82.423 85.34,84.836 91.437,84.836 93.977,82.296 U2.JP1_1@93.977,79.236
CLK2: U2.JP1_34 U3A.12 U9A.12 | length 84.6
  Top Layer w0.254: U9A.12@28.077,6.758 28.443,6.758 28.52,6.681 28.52,5.643 ; U3A.12@86.125,39.527 86.125,39.161 86.202,39.084 86.568,39.084 87.249,38.403 87.249,37.338 87.376,37.211
  Top Layer w0.508: 87.376,37.211 90.052,37.211 U2.JP1_34@91.437,38.596
  Top Layer w0.762: 28.52,5.643 29.718,4.445 58.801,4.445 87.376,33.02 87.376,37.211
CSA1: U2.JP1_4 U3B.13 U9B.13 | length 81.1
  Top Layer w0.254: U9B.13@20.985,80.029 20.985,80.076 20.955,80.106 20.955,81.661 22.479,83.185 v1(23.622,83.185) ; 68.688,80.918 U3B.13@70.388,80.918 U3B.13@70.364,80.942
  Top Layer w0.508: 68.688,80.918 68.326,81.28 68.326,81.747 68.707,82.128 v1(68.707,83.947)
  Bottom Layer w0.762: v1(23.622,83.185) 23.759,83.185 24.521,83.947 v1(68.707,83.947) 80.137,83.947 87.388,76.696 U2.JP1_4@91.437,76.696
CSA2: U2.JP1_26 U3A.13 U9A.13 | length 90.9
  Top Layer w0.254: v1(30.968,5.933) 31.008,5.973 31.008,6.349 31.417,6.758 U9A.13@33.86,6.758 ; U3A.13@86.125,45.309 86.155,45.339 v1(86.614,45.339)
  Top Layer w0.508: v1(86.614,45.339) 90.006,48.731 91.412,48.731 U2.JP1_26@91.437,48.756
  Bottom Layer w0.762: v1(30.968,5.933) 32.33,4.572 58.801,4.572 86.614,32.385 v1(86.614,45.339)
DOUT1A: J37.1 U8.8 | length 10
  Top Layer w0.178: U8.8@136.233,13.462 136.233,10.918 ccw(c137.664,10.918) 136.652,9.906 cw(c135.732,8.986) 137.033,8.986 J37.1@137.033,3.741 ; J37.1@136.995,3.566 ccw(c137.125,3.566) J37.1@137.033,3.474
DOUT1B: U2.JP2_14 U8.5 | length 36.7
  Top Layer w0.178: U8.5@136.233,15.062 136.233,16.599
  Top Layer w0.381: 136.233,16.599 cw(c138.049,16.599) 138.049,18.415 138.548,18.415 ccw(c138.548,20.583) 140.081,19.05 140.099,19.068 ccw(c138.303,20.864) 140.843,20.864 140.843,44.033 ccw(c138.303,44.033) 140.099,45.829 140.081,45.847 ccw(c139.19,44.956) 139.19,46.216 U2.JP2_14@137.287,46.216
GND: "C3 0.1uFA.2" "C3 0.1uFB.2" "C4 10uFA.2" "C4 10uFB.2" "C5 22uFA.2" "C5 22uFB.2" "C6 0.1uFA.2" "C6 0.1uFB.2" "C6 0.1uFC.2" "C6 0.1uFD.2" "C6 0.1uFE.2" "C6 0.1uFF.2" "C6 0.1uFG.2" "C6 0.1uFH.2" "C7 0.1uFA.2" "C7 0.1uFB.2" "C8 0.1uFA.2" "C8 0.1uFB.2" "C13 10uFA.2" "C13 10uFB.2" "C13 10uFC.2" "C13 10uFD.2" "C13 10uFE.2" "C13 10uFF.2" "C13 10uFG.2" "C13 10uFH.2" "C14 22uFA.2" "C14 22uFB.2" "C14 22uFC.2" "C14 22uFD.2" "C14 22uFE.2" "C14 22uFF.2" "C14 22uFG.2" "C14 22uFH.2" "C18 0.10uFA.2" "C18 0.10uFB.2" "C18 0.10uFC.2" "C18 0.10uFD.2" "C18 0.10uFE.2" "C18 0.10uFF.2" "C18 0.10uFG.2" "C18 0.10uFH.2" "C22 0.1uFA.2" "C22 0.1uFB.2" "C22 0.1uFC.2" "C22 0.1uFD.2" "C22 0.1uFE.2" "C22 0.1uFF.2" "C22 0.1uFG.2" "C22 0.1uFH.2" "R8 12.6kA.1" "R8 12.6kB.1" "R8 12.6kC.1" "R8 12.6kD.1" "R8 12.6kE.1" "R8 12.6kF.1" "R8 12.6kG.1" "R8 12.6kH.1" C1.2 C2.1 C3.2 C4.2 C5.2 C6.2 C7.2 C8.2 C9.2 C10.2 C11.2 C12.2 C13.2 C14.2 C15.2 J1.2 J1.3 J2.1 J3.1 J4.1 J5.1 J6.1 J7.1 J8.1 J9.1 J10.1 J11.1 J12.2 J12.3 J12.4 J12.5 J13.1 J14.1 J15.1 J16.1 J17.1 J18.1 J19.1 J20.1 J21.1 J22.1 J23.1 J24.1 J25.1 J26.1 J26.2 J27.1 J27.2 J28.1 J29.1 J29.2 J30.1 J30.2 J31.1 J31.2 J32.1 J32.2 J33.1 J33.2 J34.1 J35.1 J36.2 J36.3 J36.4 J36.5 J37.2 J37.3 J37.4 J37.5 J38.2 J38.3 J38.4 J38.5 J42.2 P1.1 P2.1 P3.1 P4.1 U2.JP1_12 U2.JP1_30 U2.JP2_12 U2.JP2_30 U3A.1 U3A.3 U3A.4 U3A.6 U3A.8 U3A.18 U3A.19 U3A.21 U3A.22 U3A.24 U3B.1 U3B.4 U3B.8 U3B.18 U3B.21 U3B.24 U4A.8 U4A.18 U4A.21 U4B.8 U4B.18 U4B.21 U4C.8 U4C.18 U4C.21 U4D.8 U4D.18 U4D.21 U4E.8 U4E.18 U4E.21 U4F.8 U4F.18 U4F.21 U4G.8 U4G.18 U4G.21 U4H.8 U4H.18 U4H.21 U5A.6 U5A.8 U5A.10 U5A.11 U5A.18 U5A.21 U5B.6 U5B.8 U5B.10 U5B.11 U5B.18 U5B.21 U6.6 U6.7 U6.8 U6.18 U6.21 U8.3 U9A.8 U9A.18 U9B.8 U9B.18 U10.4 U10.5 U10.10 U10.11 | length 154.2
  Top Layer w0.178: U10.4@111.252,12.916 111.252,12.516 U10.5@111.452,12.316 111.463,12.327 111.463,12.636 111.734,12.907 111.763,12.907 111.971,13.115 111.971,13.435 v1(112.052,13.516) ; U8.3@137.033,15.062 v1(137.033,16.256)
  Top Layer w0.203: U4H.8@7.85,57.277 v1(9.525,57.277) U4H.18@11.2,57.277 ; U4C.18@12.148,27.132 v1(13.823,27.132) U4C.8@15.498,27.132 ; U4F.8@22.074,57.277 v1(23.749,57.277) U4F.18@25.424,57.277 ; U4A.18@25.403,27.132 v1(27.031,27.132) U4A.8@28.663,27.132 ; U4E.8@34.798,57.277 v1(36.473,57.277) U4E.18@38.148,57.277 U4E.18@38.228,57.277 ; U4B.18@39.17,27.132 U4B.18@39.199,27.132 v1(40.874,27.132) 42.252,27.132 ; U4G.8@48.308,57.277 v1(49.784,57.277) U4G.18@51.459,57.277 ; U4D.18@52.618,27.132 v1(54.209,27.132) U4D.8@55.884,27.132 ; U5B.18@65.925,27.132 67.372,27.132 v1(67.6,27.36)
  Top Layer w0.254: v1@9.104,62.611 v1(9.271,62.611) ; U9B.18@20.985,76.779 23.276,76.779 23.601,76.454 v1(23.876,76.454) ; v1@23.328,62.992 v1(23.495,62.992) ; v1(24.003,75.311) 23.939,75.374 23.939,76.391 v1(23.876,76.454) ; U9B.8@26.767,77.429 25.526,77.429 24.551,76.454 v1(23.876,76.454) ; U9A.8@28.077,9.358 28.097,9.378 29.825,9.378 v1(29.845,9.398) v1(32.004,9.398) 32.379,9.398 32.958,9.977 33.828,9.977 U9A.18@33.86,10.008 ; U3B.24@70.388,73.768 70.42,73.8 71.29,73.8 71.663,74.173 ; U3B.21@70.388,75.718 70.42,75.686 71.254,75.686 71.648,75.292 71.648,74.74 71.663,74.725 71.663,74.173 ; U3B.18@70.388,77.668 71.938,77.668 72.263,77.343 v1(73.279,77.343) 73.876,77.343 v1(74.073,77.54) ; v1@73.871,77.349 73.68,77.158 73.68,74.933 72.92,74.173 71.663,74.173 ; v1@74.073,77.544 74.352,77.544 74.721,77.913 74.895,77.913 ; 75.268,75.75 74.895,76.123 74.895,77.913 ; U3B.1@76.17,73.768 76.112,73.827 75.241,73.827 74.895,74.173 74.895,75.313 75.268,75.686 76.138,75.686 U3B.4@76.17,75.718 ; U3B.8@76.17,78.318 76.138,78.286 75.268,78.286 74.895,77.913 ; U3A.1@78.975,39.527 79.034,39.468 79.034,38.598 79.38,38.252 79.87,38.252 80.243,38.625 80.243,39.495 U3A.3@80.275,39.527 U3A.4@80.925,39.527 80.957,39.559 80.957,40.429 81.33,40.802 81.82,40.802 82.193,40.429 ; U3A.24@78.975,45.309 79.007,45.277 79.007,44.31 80.899,42.418 82.692,42.418 82.804,42.53 v1(82.336,42.998) 81.575,43.759 81.575,44.034 ; U3A.22@80.275,45.309 U3A.21@80.925,45.309 80.957,45.277 80.957,44.407 81.33,44.034 81.575,44.034 ; U3A.6@82.225,39.527 82.193,39.559 82.193,40.429 ; 82.86,42.474 82.843,42.457 82.843,40.802 ; U3A.18@82.875,45.309 U3A.19@82.225,45.309 82.193,45.277 82.193,44.407 81.82,44.034 81.575,44.034 ; U3A.8@83.525,39.527 83.493,39.559 83.493,40.429 83.12,40.802 82.843,40.802 ; 82.193,40.429 82.566,40.802 82.843,40.802
  Top Layer w0.508: 7.62,61.976 8.469,61.976 v1@9.104,62.611 ; v1(14.077,21.798) 14.095,21.816 14.534,21.816 15.067,22.349 15.067,22.394 15.068,22.395 15.113,22.395 ; 21.844,62.357 22.693,62.357 v1@23.328,62.992 ; v1(27.285,22.052) 27.452,22.052 28.087,22.687 28.936,22.687 ; 34.568,62.484 35.41,62.484 35.999,63.074 v1(36.059,63.074) ; v1(41.128,21.925) 41.153,21.925 41.622,22.394 41.782,22.394 42.037,22.649 ; 47.879,62.484 47.88,62.485 47.925,62.485 48.413,62.973 48.876,62.973 v1(49.022,63.119) ; v1(54.416,22.063) 54.441,22.063 55.029,22.651 56.114,22.651
  Top Layer w0.762: C9.2@106.807,9.144 ccw(c106.778,9.173) 106.819,9.173 C10.2@106.819,11.43 106.738,11.511 v1(106.738,12.737) 106.785,12.784 C8.2@106.785,14.097 106.68,14.202 106.68,15.603 106.737,15.66 106.737,16.543 C11.2@106.831,16.637 ; C7.2@126.127,17.788 126.127,17.588 126.221,17.494 127.159,17.494 127.825,16.828 127.825,14.541 v1@128.143,14.224 ; v1(128.016,14.097) v1(130.175,14.097) ; v1@130.224,14.146 132.284,14.146 ; C13.2@132.196,17.78 132.346,17.63 C15.2@132.346,15.494 132.284,15.432 132.284,14.146 ; C12.2@132.327,9.906 132.327,12.738 132.31,12.755 132.31,14.172 132.284,14.146
  Top Layer w1.016: v1(10.668,83.058) v1(10.668,83.947) v1(10.668,84.963) 10.668,86.523 J1.2@10.66,86.531 v1@14.224,86.531 ; v1(11.43,95.504) v1(11.43,94.488) v1(11.43,93.599) 11.43,92.061 J1.3@11.46,92.031 ; v1(14.605,85.471) v1(14.224,86.487) ; v1(14.605,87.503) v1(14.224,86.487) ; C1.2@22.733,87.288 22.415,86.97 v1(20.034,86.97) C2.1@17.653,86.97 17.628,86.995 15.748,86.995 v1(15.24,86.487) v1(14.224,86.487) ; v1(89.662,43.561) 89.667,43.566 91.327,43.566 U2.JP1_30@91.437,43.676 ; U2.JP2_12@137.287,43.676 139.544,43.676 ccw(c139.544,43.717) v1(139.573,43.688)
  other v1: 108.251,1.889 116.76,1.889 110.918,2.016 113.839,2.016 106.426,2.032 118.999,2.032 132.842,2.032 135.509,2.032 138.557,2.032 141.224,2.032 103.574,2.069 121.666,2.159 100.653,2.196 127.323,2.249 124.714,2.286 97.986,2.323 106.426,3.683 118.999,3.683 132.969,3.683 138.557,3.683 103.574,3.72 108.251,3.794 110.918,3.794 113.839,3.794 116.76,3.794 127.323,3.773 124.714,3.81 135.509,3.81 141.224,3.81 97.986,3.847 121.666,3.937 100.653,3.974 89.027,4.318 10.473,4.473 16.473,4.473 22.473,4.473 28.473,4.473 64.473,4.473 70.473,4.473 76.473,4.473 82.473,4.473 132.969,5.334 135.509,5.334 138.557,5.334 97.986,5.371 113.839,5.445 116.76,5.445 118.999,5.461 121.666,5.461 124.714,5.461 141.224,5.461 100.653,5.498 103.574,5.498 108.251,5.572 110.918,5.572 127.323,5.551 106.426,5.715 30.861,9.398 92.456,10.033 106.819,10.144 86.106,10.16 97.917,10.16 7.473,10.473 13.473,10.473 19.473,10.473 43.473,10.473 49.473,10.473 55.473,10.473 61.473,10.473 67.473,10.473 73.473,10.473 79.473,10.473 115.189,13.97 116.459,13.97 124.603,14.121 145.542,14.605 106.68,15.367 4.473,16.473 10.473,16.473 16.473,16.473 28.473,16.473 34.473,16.473 40.473,16.473 52.473,16.473 64.473,16.473 76.473,16.473 82.473,16.473 88.473,16.473 94.473,16.473 100.473,16.473 127.508,17.145 121.285,20.828 122.682,21.971 31.473,22.473 61.473,22.473 73.473,22.473 79.473,22.473 85.473,22.473 97.473,22.473 116.332,22.478 139.473,22.473 145.473,22.473 124.264,23.278 117.602,24.13 120.015,24.257 125.73,24.511 122.809,24.892 121.285,25.654 127,25.781 118.999,25.908 124.333,26.289 70.739,26.416 122.301,26.924 5.461,27.051 7.366,27.051 8.763,27.051 18.669,27.178 33.655,27.178 35.941,27.178 128.524,27.178 22.479,27.305 24.13,27.305 45.339,27.305 48.514,27.305 50.8,27.305 59.033,27.398 120.269,27.559 31.496,27.94 126.238,28.194 123.698,28.448 129.921,28.448 4.473,28.473 16.473,28.473 46.473,28.473 76.473,28.473 88.473,28.473 94.473,28.473 100.473,28.473 107.447,28.473 112.473,28.473 118.473,28.473 136.473,28.473 142.473,28.473 58.039,28.575 121.666,29.464 16.891,29.591 131.191,29.591 128.016,29.845 125.095,30.226 57.404,30.48 132.461,30.607 44.196,30.988 30.226,31.115 71.501,31.115 123.19,31.242 129.667,31.369 126.619,32.004 131.318,32.893 124.587,33.147 128.143,33.655 133.096,34.417 7.473,34.473 25.473,34.473 37.473,34.473 43.473,34.473 49.473,34.473 67.473,34.473 79.473,34.473 85.473,34.473 97.473,34.473 109.473,34.473 121.473,34.473 139.473,34.473 145.473,34.473 125.857,34.925 104.049,35.049 129.54,35.306 130.81,36.83 127.381,36.957 132.207,38.481 128.778,38.735 133.477,40.259 130.175,40.386 70.473,40.473 76.473,40.473 100.473,40.473 106.473,40.473 112.473,40.473 118.473,40.473 124.473,40.473 142.473,40.473 131.318,41.91 81.661,42.418 132.842,42.799 7.473,46.473 13.473,46.473 25.473,46.473 31.473,46.473 37.473,46.473 61.473,46.473 97.473,46.473 103.473,46.473 109.473,46.473 115.473,46.473 121.473,46.473 133.473,46.473 145.473,46.473 4.473,52.473 22.473,52.473 28.473,52.473 40.473,52.473 46.473,52.473 52.473,52.473 70.473,52.473 82.473,52.473 88.473,52.473 100.473,52.473 106.473,52.473 112.473,52.473 118.473,52.473 124.473,52.473 130.297,52.473 142.473,52.473 19.685,53.467 32.385,53.594 45.593,53.848 6.604,55.372 6.604,57.15 16.764,57.404 19.812,57.404 13.462,57.531 26.67,57.785 29.21,57.784 52.959,57.785 54.991,57.785 56.896,57.785 39.624,57.912 42.799,58.039 45.593,58.039 32.893,58.293 19.473,58.473 31.473,58.473 43.473,58.473 55.473,58.473 61.473,58.473 85.473,58.473 97.473,58.473 103.473,58.473 109.473,58.473 121.473,58.473 127.473,58.473 133.473,58.473 139.473,58.473 145.473,58.473 4.473,64.473 46.473,64.473 58.473,64.473 64.473,64.473 70.473,64.473 76.473,64.473 82.473,64.473 100.473,64.473 106.473,64.473 112.473,64.473 118.473,64.473 124.473,64.473 130.297,64.473 142.473,64.473 85.372,70.372 7.473,70.473 19.473,70.473 31.473,70.473 67.473,70.473 73.473,70.473 79.473,70.473 97.473,70.473 103.473,70.473 109.473,70.473 115.473,70.473 133.473,70.473 139.473,70.473 145.473,70.473 121.159,70.787 50.89,75.888 58.457,75.888 42.418,75.946 4.473,76.473 10.473,76.473 82.473,76.473 100.473,76.473 106.473,76.473 112.473,76.473 118.473,76.473 124.473,76.473 142.473,76.473 46.863,80.137 40.005,80.264 7.473,82.473 13.473,82.473 19.473,82.473 97.473,82.473 103.473,82.473 109.473,82.473 115.473,82.473 121.473,82.473 127.473,82.473 139.473,82.473 145.473,82.473 58.801,86.36 55.355,86.451 46.736,86.488 15.875,86.995 16.473,88.473 28.473,88.473 34.473,88.473 40.473,88.473 46.473,88.473 58.473,88.473 70.473,88.473 76.473,88.473 82.473,88.473 88.473,88.473 94.473,88.473 100.473,88.473 106.473,88.473 112.473,88.473 118.473,88.473 124.473,88.473 136.473,88.473 142.473,88.473 58.674,89.281 13.473,94.473 19.473,94.473 25.473,94.473 31.473,94.473 37.473,94.473 43.473,94.473 49.473,94.473 55.473,94.473 61.473,94.473 67.473,94.473 73.473,94.473 79.473,94.473 85.473,94.473 97.473,94.473 103.473,94.473 109.473,94.473 115.473,94.473 121.473,94.473 127.473,94.473 139.473,94.473